# Altium PCB sna_pcb.PcbDoc (continued)
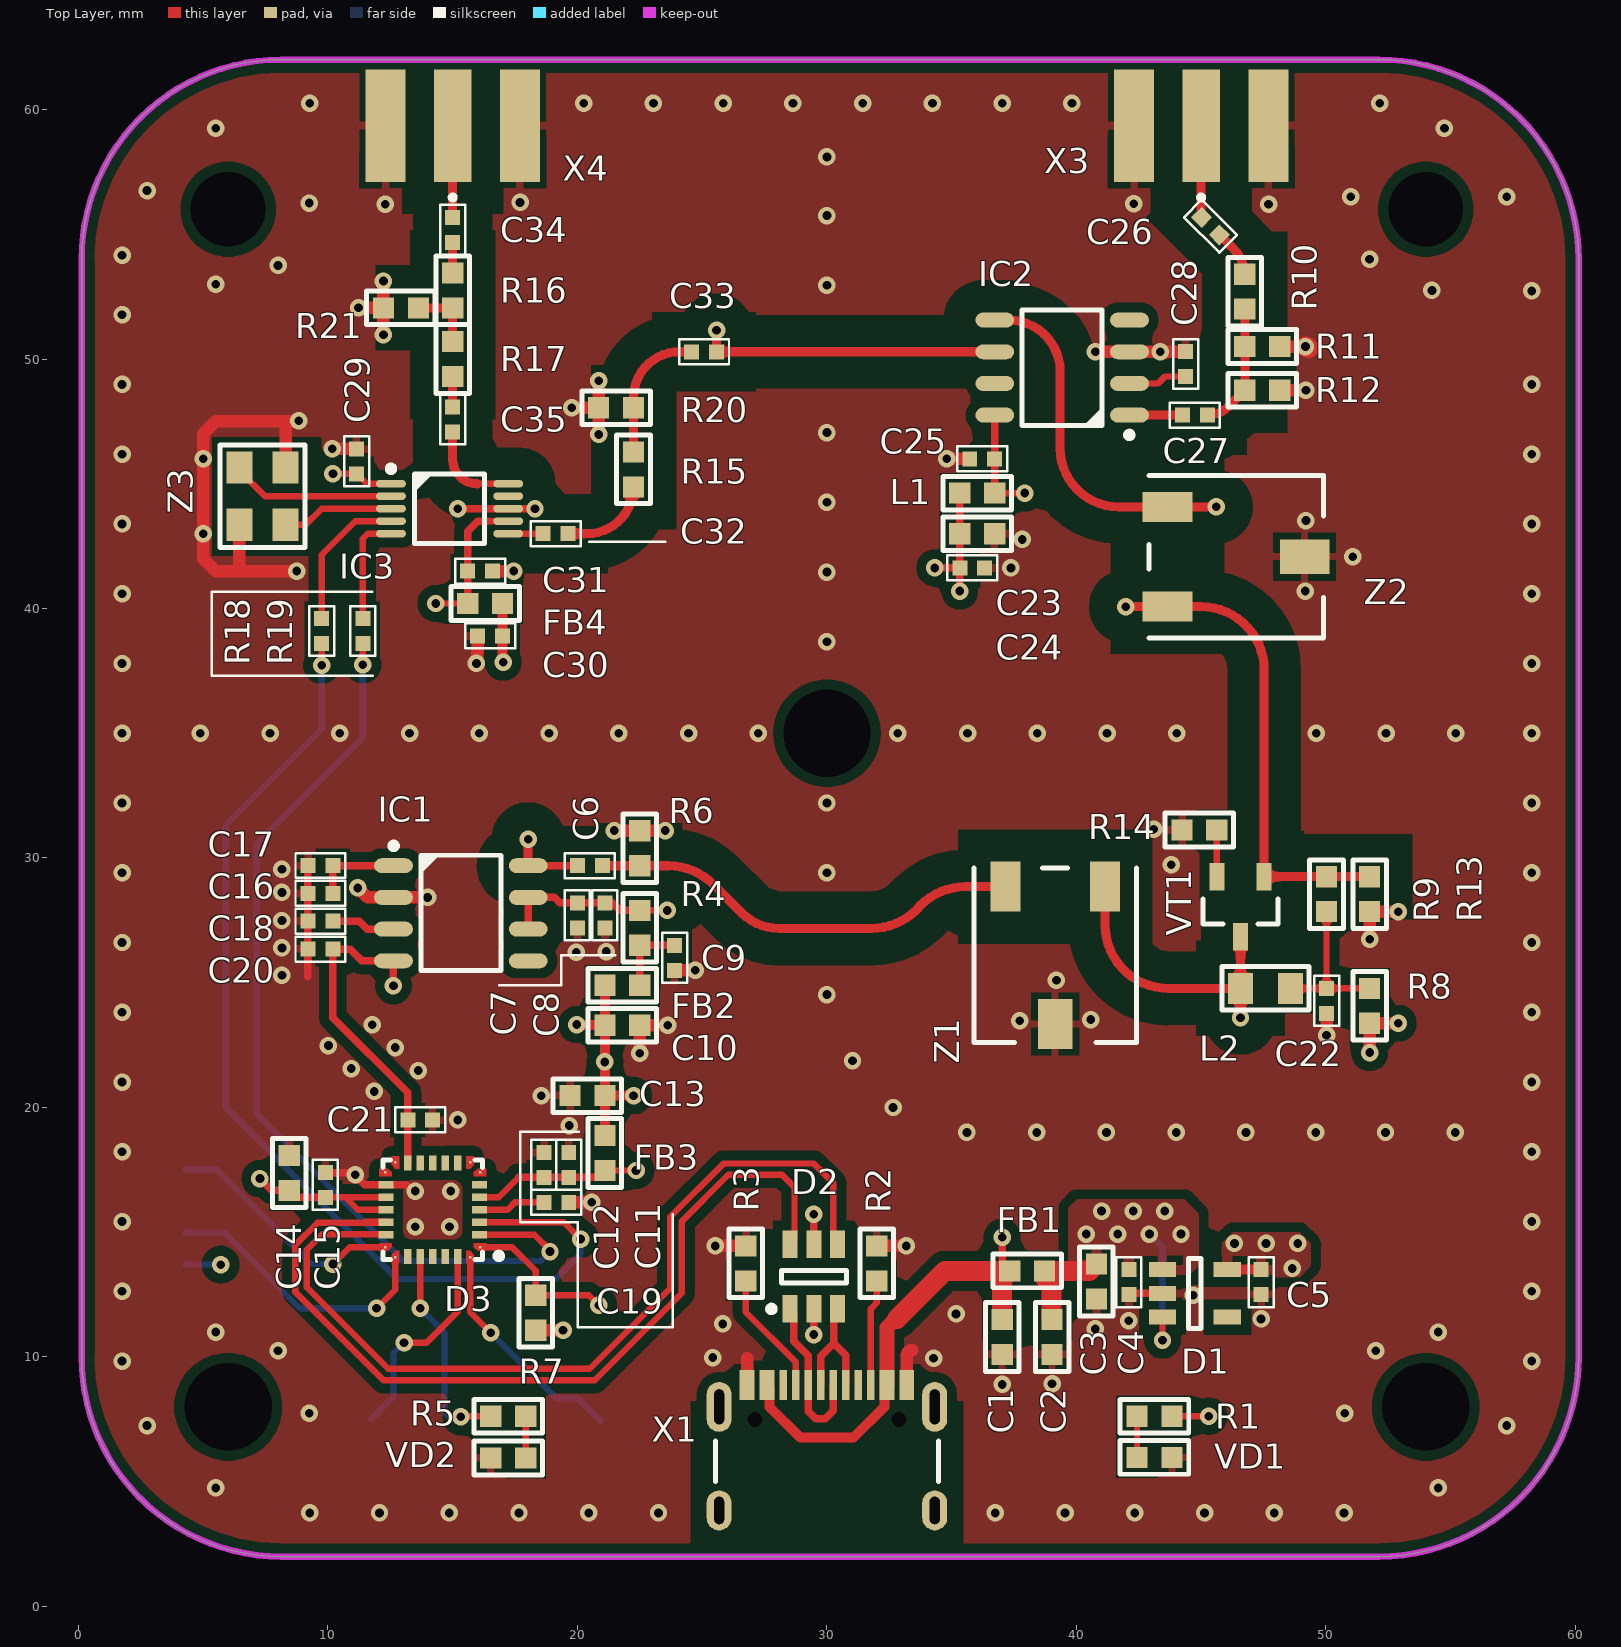
[diagram p0: Top Layer view]
## Components (designator, comment, footprint, x,y, rotation, side; value= is the part's Value field where it differs from the comment)
C1 "Ceramic capacitor, 10uF, X5R, ±10%, 10V, 0603, -55...+125°C" "CAP: 0603" 37.025,10.8 r270 top value=10uF
C2 "Ceramic capacitor, 10uF, X5R, ±10%, 10V, 0603, -55...+125°C" "CAP: 0603" 39.025,10.8 r270 top value=10uF
C3 "Ceramic capacitor, 10uF, X5R, ±10%, 10V, 0603, -55...+125°C" "CAP: 0603" 40.8,13.025 r270 top value=10uF
C4 "Ceramic capacitor, 0.1uF, X7R, ±10%, 16V, 0402, -55...+125°C" "CAP: 0402" 42.1,13 r270 top value=0.1uF
C5 "Ceramic capacitor, 1uF, X5R, ±10%, 25V, 0402, -55...+125°C" "CAP: 0402" 47.4,13 r270 top value=1uF
C6 "Ceramic capacitor, 0.1uF, X7R, ±10%, 16V, 0402, -55...+125°C" "CAP: 0402" 20.5,29.69 r180 top value=0.1uF
C7 "Ceramic capacitor, 10nF, X7R, ±10%, 50V, 0402, -55...+125°C" "CAP: 0402" 20,27.7 r270 top value=10nF
C8 "Ceramic capacitor, 1uF, X5R, ±10%, 25V, 0402, -55...+125°C" "CAP: 0402" 21.1,27.7 r270 top value=1uF
C9 "Ceramic capacitor, 0.1uF, X7R, ±10%, 16V, 0402, -55...+125°C" "CAP: 0402" 23.9,26 r270 top value=0.1uF
C10 "Ceramic capacitor, 10uF, X5R, ±10%, 10V, 0603, -55...+125°C" "CAP: 0603" 21.8,23.3 r0 top value=10uF
C11 "Ceramic capacitor, 1uF, X5R, ±10%, 25V, 0402, -55...+125°C" "CAP: 0402" 19.652,17.7 r90 top value=1uF
C12 "Ceramic capacitor, 10nF, X7R, ±10%, 50V, 0402, -55...+125°C" "CAP: 0402" 18.652,17.7 r90 top value=10nF
C13 "Ceramic capacitor, 10uF, X5R, ±10%, 10V, 0603, -55...+125°C" "CAP: 0603" 20.4,20.475 r180 top value=10uF
C14 "Ceramic capacitor, 10uF, X5R, ±10%, 10V, 0603, -55...+125°C" "CAP: 0603" 8.45,17.375 r90 top value=10uF
C15 "Ceramic capacitor, 0.1uF, X7R, ±10%, 16V, 0402, -55...+125°C" "CAP: 0402" 9.9,16.9 r90 top value=0.1uF
C16 "Ceramic capacitor, 1uF, X5R, ±10%, 25V, 0402, -55...+125°C" "CAP: 0402" 9.7,28.583 r180 top value=1uF
C17 "Ceramic capacitor, 0.1uF, X7R, ±10%, 16V, 0402, -55...+125°C" "CAP: 0402" 9.7,29.7 r180 top value=0.1uF
C18 "Ceramic capacitor, NC, X7R, ±10%, 16V, 0603, -55...+125°C" "CAP: 0402" 9.7,27.467 r180 top value=NC
C19 "Ceramic capacitor, 0.1uF, X7R, ±10%, 16V, 0402, -55...+125°C" "CAP: 0402" 19.152,16.2 r0 top value=0.1uF
C20 "Ceramic capacitor, 1uF, X5R, ±10%, 25V, 0402, -55...+125°C" "CAP: 0402" 9.7,26.35 r180 top value=1uF
C21 "Ceramic capacitor, 0.1uF, X7R, ±10%, 16V, 0402, -55...+125°C" "CAP: 0402" 13.7,19.5 r0 top value=0.1uF
C22 "Ceramic capacitor, 0.1uF, X7R, ±10%, 16V, 0402, -55...+125°C" "CAP: 0402" 50.025,24.275 r270 top value=0.1uF
C23 "Ceramic capacitor, 10uF, X5R, ±10%, 10V, 0603, -55...+125°C" "CAP: 0603" 36.025,43 r0 top value=10uF
C24 "Ceramic capacitor, 0.1uF, X7R, ±10%, 16V, 0402, -55...+125°C" "CAP: 0402" 35.825,41.625 r0 top value=0.1uF
C25 "Ceramic capacitor, 10nF, X7R, ±10%, 50V, 0402, -55...+125°C" "CAP: 0402" 36.225,46 r180 top value=10nF
C26 "Ceramic capacitor, 0.1uF, X7R, ±10%, 16V, 0402, -55...+125°C" "CAP: 0402" 45.375,55.325 r315 top value=0.1uF
C27 "Ceramic capacitor, 0.1uF, X7R, ±10%, 16V, 0402, -55...+125°C" "CAP: 0402" 44.75,47.75 r180 top value=0.1uF
C28 "Ceramic capacitor, 0.1uF, X7R, ±10%, 16V, 0402, -55...+125°C" "CAP: 0402" 44.375,49.8 r270 top value=0.1uF
C29 "Ceramic capacitor, 0.1uF, X7R, ±10%, 16V, 0402, -55...+125°C" "CAP: 0402" 11.15,45.9 r90 top value=0.1uF
C30 "Ceramic capacitor, 0.1uF, X7R, ±10%, 16V, 0402, -55...+125°C" "CAP: 0402" 16.5,38.9 r180 top value=0.1uF
C31 "Ceramic capacitor, 10nF, X7R, ±10%, 50V, 0402, -55...+125°C" "CAP: 0402" 16.1,41.5 r0 top value=10nF
C32 "Ceramic capacitor, 0.1uF, X7R, ±10%, 16V, 0402, -55...+125°C" "CAP: 0402" 19.127,43 r180 top value=0.1uF
C33 "Ceramic capacitor, 0.1uF, X7R, ±10%, 16V, 0402, -55...+125°C" "CAP: 0402" 25.075,50.29 r180 top value=0.1uF
C34 "Ceramic capacitor, 0.1uF, X7R, ±10%, 16V, 0402, -55...+125°C" "CAP: 0402" 15,55.175 r90 top value=0.1uF
C35 "Ceramic capacitor, 0.1uF, X7R, ±10%, 16V, 0402, -55...+125°C" "CAP: 0402" 15,47.575 r90 top value=0.1uF
D1 "LP5907QMFX-3.3Q1" SOT23-5 44.75,12.55 r0 top
D2 "USB protection, , 5A peak, 17V, Power line, SOT-23-6, -40...+125°C" SOT23-6 29.475,13.225 r90 top
D3 "STM32F042K6U6" "28-QFN (4x4)" 14.2,15.9 r180 top
FB1 "Ferrite Bead, =Value, , 0603, 200mA, -55...+125°C" "IND: 0603" 38.025,13.45 r180 top
FB2 "Ferrite Bead, =Value, , 0603, 200mA, -55...+125°C" "IND: 0603" 21.8,24.9 r0 top
FB3 "Ferrite Bead, =Value, , 0603, 200mA, -55...+125°C" "IND: 0603" 21.1,18.175 r270 top
FB4 "Ferrite Bead, =Value, , 0603, 200mA, -55...+125°C" "IND: 0603" 16.3,40.2 r0 top
IC1 "AD8307" 8-SOIC 15.327,27.785 r0 top
IC2 "SA602A" 8-SOIC 39.427,49.655 r180 top
IC3 "SI5351" 10-MSOP 14.877,44 r0 top
L1 "Fixed inductor, 4.7uH, ±5%, 0201, 80mA, -55...+125°C" "IND: 0603" 36.025,44.625 r180 top value=4.7uH
L2 "Fixed inductor, 100uH, ±5%, 0201, 80mA, -55...+125°C" "IND: 0805" 47.577,24.775 r180 top value=100uH
R1 "Resistor film, 300R, ±5%, 0603, 0.05W, -55...+125°C" "RES: 0603" 43.127,7.625 r0 top value=300R
R2 "Resistor film, 5k1, ±5%, 0603, 0.05W, -55...+125°C" "RES: 0603" 32,13.75 r270 top value=5k1
R3 "Resistor film, 5k1, ±5%, 0603, 0.05W, -55...+125°C" "RES: 0603" 26.75,13.75 r270 top value=5k1
R4 "Resistor film, 4R7, ±5%, 0603, 0.05W, -55...+125°C" "RES: 0603" 22.5,27.2 r270 top value=4R7
R5 "Resistor film, 300R, ±5%, 0603, 0.05W, -55...+125°C" "RES: 0603" 17.225,7.625 r180 top value=300R
R6 "Resistor film, 51R, ±5%, 0603, 0.05W, -55...+125°C" "RES: 0603" 22.5,30.39 r270 top value=51R
R7 "Resistor film, 5k1, ±5%, 0603, 0.05W, -55...+125°C" "RES: 0603" 18.327,11.775 r90 top value=5k1
R8 "Resistor film, 10R, ±5%, 0603, 0.05W, -55...+125°C" "RES: 0603" 51.752,24.075 r270 top value=10R
R9 "Resistor film, 5k1, ±5%, 0603, 0.05W, -55...+125°C" "RES: 0603" 50.025,28.55 r270 top value=5k1
R10 "Resistor film, 33R, ±5%, 0603, 0.05W, -55...+125°C" "RES: 0603" 46.75,52.7 r270 top value=33R
R11 "Resistor film, 33R, ±5%, 0603, 0.05W, -55...+125°C" "RES: 0603" 47.45,50.5 r180 top value=33R
R12 "Resistor film, 33R, ±5%, 0603, 0.05W, -55...+125°C" "RES: 0603" 47.45,48.75 r180 top value=33R
R13 "Resistor film, 2k, ±5%, 0603, 0.05W, -55...+125°C" "RES: 0603" 51.752,28.55 r90 top value=2k
R14 "Resistor film, 27R, ±5%, 0603, 0.05W, -55...+125°C" "RES: 0603" 44.927,31.125 r0 top value=27R
R15 "Resistor film, 300R, ±5%, 0603, 0.05W, -55...+125°C" "RES: 0603" 22.25,45.575 r90 top value=300R
R16 "Resistor film, 5.1R, ±5%, 0603, 0.05W, -55...+125°C" "RES: 0603" 15,52.75 r90 top value=5.1R
R17 "Resistor film, 47R, ±5%, 0603, 0.05W, -55...+125°C" "RES: 0603" 15,50 r90 top value=47R
R18 "Resistor film, 0R, ±5%, 0603, 0.05W, -55...+125°C" "RES: 0402" 9.75,39.1 r90 top value=0R
R19 "Resistor film, 0R, ±5%, 0603, 0.05W, -55...+125°C" "RES: 0402" 11.4,39.1 r90 top value=0R
R20 "Resistor film, 100R, ±5%, 0603, 0.05W, -55...+125°C" "RES: 0603" 21.55,48.05 r0 top value=100R
R21 "Resistor film, 51R, ±5%, 0603, 0.05W, -55...+125°C" "RES: 0603" 12.925,52.05 r0 top value=51R
TP1 "5V" "CON: test_point" 52.9,23.375 r180 bottom
TP2 "Z1_OUT" "CON: test_point" 18.027,30.75 r180 bottom
TP3 "AMP_PWR" "CON: test_point" 23.6,27.9 r180 bottom
TP4 "TX" "CON: test_point" 11.725,7.5 r180 bottom
TP5 "RX" "CON: test_point" 20.925,7.45 r180 bottom
TP6 "BOOT0" "CON: test_point" 20.85,12.075 r180 bottom
TP7 "3.3VA" "CON: test_point" 22.35,17.475 r180 bottom
TP8 "3.3V" "CON: test_point" 45.3,7.625 r180 bottom
TP9 "ADC" "CON: test_point" 12.627,24.875 r180 bottom
TP10 "SA602_5V" "CON: test_point" 37.925,44.625 r180 bottom
TP11 "AMP_OUT" "CON: test_point" 46.577,23.602 r90 bottom
TP12 "OUT_IF" "CON: test_point" 45.6,44.075 r180 bottom
TP13 "Z2_OUT" "CON: test_point" 41.975,40.075 r90 bottom
TP14 "SI_PWR" "CON: test_point" 14.325,40.2 r90 bottom
TP15 "LO_OSC" "CON: test_point" 25.575,51.225 r90 bottom
VD1 "LED, Green, *, *, *, -55...+150°C" "LED: 0603B" 43.127,5.975 r0 top
VD2 "LED, Green, *, *, *, -55...+150°C" "LED: 0603B" 17.225,5.95 r180 top
VT1 "NPN transistor, 45V, 100mA, 100MHz, 300mW, 0.6V, 420, SOT-23, -55...+125°C" SOT23 46.577,28.05 r270 top
X1 "USB Type C, 3A" "CON: TYPE-C-31-M-12" 30,7.5 r180 top locked
X2 "" "CON: 1.27 Pogo Pin contact" 4.3,16.25 r90 bottom
X3 "Connector SMA, 50 Ohm, 3GHz" "CON: SMA EDGE MOUNT" 45,61.8 r180 top locked
X4 "Connector SMA, 50 Ohm, 3GHz" "CON: SMA EDGE MOUNT" 15,61.8 r180 top locked
Z1 "" CFUKG455 39.15,23.35 r0 top
Z2 "" CFUKG455 49.15,42.075 r90 top
Z3 "Oscilator, 25MHz, HCMOS, ±50ppm, case 3225, -20...+70°C" "OSC: 3225" 7.377,44.5 r270 top

## Footprints (in the part's own frame and the unit in brackets; to place one, negate y for a bottom-side part, rotate by r counter-clockwise, add the part's x,y. Pads: shape width x height; smd on the part's side, far side on the other; paste and mask are expansions set on the pad)
8-SOIC [mm] "pitch 1.27 mm"
  rrect100% 1.55x0.6 smd: 1(-2.7,1.905) 2(-2.7,0.635) 3(-2.7,-0.635) 4(-2.7,-1.905) 5(2.7,-1.905) 6(2.7,-0.635) 7(2.7,0.635) 8(2.7,1.905)
  round 0.7 on Mech1: 28(-2.395,1.8)
  silkscreen extent -2.82,-2.3 1.61,2.82, body extent -3,-2.45 3,2.45, height 1.75
10-MSOP [mm] "3x3 mm, pitch 0.5 mm"
  rrect100% 1.2x0.3 smd: 1(-2.35,1) 2(-2.35,0.5) 3(-2.35,0) 4(-2.35,-0.5) 5(-2.35,-1) 6(2.35,-1) 7(2.35,-0.5) 8(2.35,0) 9(2.35,0.5) 10(2.35,1)
  round 0.5 on Mech1: ""(-2.1,1.1)
  silkscreen extent -2.47,-1.4 1.4,1.72, body extent -2.5,-1.5 2.5,1.5, height 1.1
"28-QFN (4x4)" [mm] "4x4 mm, pitch 0.5 mm, power pad"
  rect 0.1x0.1 smd paste-1 mask+0: 1(-1.9,1.5) 7(-1.9,-1.5) 8(-1.5,-1.9) 14(1.5,-1.9) 15(1.9,-1.5) 21(1.9,1.5) 22(1.5,1.9) 28(-1.5,1.9)
  rect 0.6x0.3 smd: 2(-1.875,1) 3(-1.875,0.5) 4(-1.875,0) 5(-1.875,-0.5) 6(-1.875,-1) 16(1.875,-1) 17(1.875,-0.5) 18(1.875,0) 19(1.875,0.5) 20(1.875,1)
  rect 0.3x0.6 smd: 9(-1,-1.875) 10(-0.5,-1.875) 11(0,-1.875) 12(0.5,-1.875) 13(1,-1.875) 23(1,1.875) 24(0.5,1.875) 25(0,1.875) 26(-0.5,1.875) 27(-1,1.875)
  Top Layer region: -1.65,1.5 -1.65,1.35 -2.15,1.35 -2.15,1.65 -1.8,1.65
  Top Layer region: -1.65,-1.5 -1.8,-1.65 -2.15,-1.65 -2.15,-1.35 -1.65,-1.35
  Top Layer region: -1.35,-2.15 -1.65,-2.15 -1.65,-1.8 -1.5,-1.65 -1.35,-1.65
  Top Layer region: 1.65,-1.8 1.65,-2.15 1.35,-2.15 1.35,-1.65 1.5,-1.65
  Top Layer region: 2.15,-1.65 1.8,-1.65 1.65,-1.5 1.65,-1.35 2.15,-1.35
  Top Layer region: 2.15,1.35 1.65,1.35 1.65,1.5 1.8,1.65 2.15,1.65
  Top Layer region: 1.65,1.8 1.5,1.65 1.35,1.65 1.35,2.15 1.65,2.15
  Top Layer region: -1.35,1.65 -1.5,1.65 -1.65,1.8 -1.65,2.15 -1.35,2.15
  silkscreen extent -2.78,-2 2,2, body extent -2,-2 2,2, height 0.75
"CAP: 0402" [mm]
  rect 0.6x0.6 smd mask+0.05: 1(-0.5,0) 2(0.5,0)
  silkscreen extent -1,-0.5 1,0.5, body extent -0.51,-0.25 0.51,0.25, height 0.51
"CAP: 0603" [mm]
  rect 0.85x0.85 smd: 1(-0.7,0) 2(0.7,0)
  silkscreen extent -1.38,-0.67 1.38,0.67, body extent -0.8,-0.4 0.8,0.4, height 0.3
CFUKG455 [mm]
  rect 1.2x2 smd: 1(2,5.5) 2(-2,5.5)
  rect 1.4x2 smd: 3(0,0)
  silkscreen extent -3.25,-0.75 3.25,6.25, body extent -3.25,-1 3.25,6.5, height 4
"CON: 1.27 Pogo Pin contact" [mm]
  round 0.9 smd: 1(-2.54,0) 2(-1.27,0) 3(0,0) 4(1.27,0) 5(2.54,0)
  silkscreen extent -3.3,-0.76 3.3,0.76
"CON: SMA EDGE MOUNT" [mm]
  rect 1.5x4.5 smd: 1(0,2.45)
  rect 1.6x4.5 smd: 2(-2.7,2.45) 2(2.7,2.45)
  rect 1.6x4.5 smd far side: 2(-2.7,2.45) 2(2.7,2.45)
  silkscreen extent -0.1,5.23 0.1,5.42, body extent -3.25,-9.17 3.1,4.17, height 3.55
"CON: test_point" [mm]
  round 1.8 smd: 1(0,0)
  silkscreen extent -1.3,-1.3 1.3,1.3
"CON: TYPE-C-31-M-12" [mm]
  rect 0.6x1.2 smd mask+0.075: A1(3.2,-1.375) A4(2.4,-1.375) B1(-3.2,-1.375) B4(-2.4,-1.375)
  rect 0.3x1.2 smd mask+0.075: A5(1.25,-1.375) A6(0.25,-1.375) A7(-0.25,-1.375) A8(-1.25,-1.375) B5(-1.75,-1.375) B6(-0.75,-1.375) B7(0.75,-1.375) B8(1.75,-1.375)
  oval 1x1.6 hole 0.4 slot 1.1 at 90 deg mask+0.075: MH(-4.32,3.65) MH(4.32,3.65)
  oval 1x2 hole 0.4 slot 1.4 at 90 deg mask+0.075: MH(-4.32,-0.5) MH(4.32,-0.5)
  round 0 hole 0.6 mask+0.075: MH(-2.89,0) MH(2.89,0)
  silkscreen extent -4.47,0.87 4.47,2.5, body extent -4.48,-1.48 4.48,6.28, height 3.26
"IND: 0603" [mm]
  rect 0.85x0.85 smd: 1(-0.7,0) 2(0.7,0)
  silkscreen extent -1.38,-0.67 1.38,0.67, body extent -0.8,-0.4 0.8,0.4, height 0.8
"IND: 0805" [mm]
  rect 1x1.25 smd: 1(-1,0) 2(1,0)
  silkscreen extent -1.75,-0.87 1.75,0.87, body extent -1,-0.62 1,0.63, height 0.85
"LED: 0603B" [mm]
  rect 0.85x0.85 smd: 1(-0.7,0) 2(0.7,0)
  silkscreen extent -1.38,-0.67 1.38,0.67, body extent -0.8,-0.4 0.8,0.4, height 0.6
"OSC: 3225" [mm]
  rect 1.3x1.05 smd: 1(-1.15,-0.925) 2(1.15,-0.925) 3(1.15,0.925) 4(-1.15,0.925)
  round 0.5 on Top Overlay: ""(-2.5,-1.5)
  silkscreen extent -2.05,-1.7 2.05,1.7, body extent -1.6,-1.25 1.6,1.25, height 0.81
"RES: 0402" [mm]
  rect 0.6x0.6 smd mask+0.05: 1(-0.5,0) 2(0.5,0)
  silkscreen extent -1,-0.5 1,0.5, body extent -0.52,-0.25 0.47,0.25, height 0.34
"RES: 0603" [mm]
  rect 0.85x0.85 smd: 1(-0.7,0) 2(0.7,0)
  silkscreen extent -1.38,-0.67 1.38,0.67, body extent -0.8,-0.4 0.8,0.4, height 0.44
SOT23 [mm]
  rect 1.1x0.6 smd: 1(-1.2,0.95) 2(-1.2,-0.95) 3(1.2,0)
  round 0.5 on Mech1: ""(-0.9,1.1)
  silkscreen extent -0.3,-1.5 0.7,1.5, body extent -1.32,-1.52 1.32,1.52, height 1.12
SOT23-5 [mm] "pitch 0.95 mm"
  rect 1.1x0.6 smd: 1(-1.3,0.95) 2(-1.3,0) 3(-1.3,-0.95) 4(1.3,-0.95) 5(1.3,0.95)
  round 0.5 on Mech1: ""(-1.1,1.1)
  silkscreen extent -0.25,-1.4 0.25,1.4, body extent -1.5,-1.5 1.5,1.5, height 1.3
SOT23-6 [mm] "pitch 0.95 mm"
  rect 1.1x0.6 smd: 1(-1.3,0.95) 2(-1.3,0) 3(-1.3,-0.95) 4(1.3,-0.95) 5(1.3,0) 6(1.3,0.95)
  round 0.5 on Mech1: ""(-1,1.1)
  silkscreen extent -1.42,-1.3 0.25,1.82, body extent -1.4,-1.45 1.4,1.45, height 1.45

## Part data
C1 C2 C3 C10 C13 C14 C23: library part Ceramic, JLCPCB Part #=C19702, Manufacturer="Samsung Electro-Mechanics", Package=0603, PartNumber=CL10A106KP8NNNC, Temperature=-55...+125°C, Tolerance=±10%, TypeCapacitor="Ceramic capacitor", TypeDielectric=X5R, Voltage=10V, HelpURL=https://jlcpcb.com/partdetail/20411-CL10A106KP8NNNC/C19702, ValueManufacturerPartNumber="Ceramic capacitor, 10uF, X5R, ±10%, 10V, 0603, -55...+125°C"
C4 C6 C9 C15 C17 C19 C21 C22 C24 C26 C27 C28 C29 C30 C32 C33 C34 C35: library part Ceramic, JLCPCB Part #=C1525, Manufacturer="Samsung Electro-Mechanics", Package=0402, PartNumber=CL05B104KO5NNNC, Temperature=-55...+125°C, Tolerance=±10%, TypeCapacitor="Ceramic capacitor", TypeDielectric=X7R, Voltage=16V, HelpURL=https://jlcpcb.com/partdetail/1877-CL05B104KO5NNNC/C1525, ValueManufacturerPartNumber="Ceramic capacitor, 0.1uF, X7R, ±10%, 16V, 0402, -55...+125°C"
C5 C8 C11 C16 C20: library part Ceramic, JLCPCB Part #=C52923, Manufacturer="Samsung Electro-Mechanics", Package=0402, PartNumber=CL05A105KA5NQNC, Temperature=-55...+125°C, Tolerance=±10%, TypeCapacitor="Ceramic capacitor", TypeDielectric=X5R, Voltage=25V, HelpURL=https://jlcpcb.com/partdetail/53938-CL05A105KA5NQNC/C52923, ValueManufacturerPartNumber="Ceramic capacitor, 1uF, X5R, ±10%, 25V, 0402, -55...+125°C"
C7 C12 C25 C31: library part Ceramic, JLCPCB Part #=C15195, Manufacturer="Samsung Electro-Mechanics", Package=0402, PartNumber=CL05B103KB5NNNC, Temperature=-55...+125°C, Tolerance=±10%, TypeCapacitor="Ceramic capacitor", TypeDielectric=X7R, Voltage=50V, HelpURL=https://jlcpcb.com/partdetail/15869-CL05B103KB5NNNC/C15195, ValueManufacturerPartNumber="Ceramic capacitor, 10nF, X7R, ±10%, 50V, 0402, -55...+125°C"
C18: library part Ceramic, Manufacturer=Yageo, Package=0603, PartNumber=CC0201KRX7R7BB103, Temperature=-55...+125°C, Tolerance=±10%, TypeCapacitor="Ceramic capacitor", TypeDielectric=X7R, Voltage=16V, HelpURL=https://www.digikey.com/product-detail/en/yageo/CC0201KRX7R7BB103/311-1404-1-ND/2833710, ValueManufacturerPartNumber="Ceramic capacitor, NC, X7R, ±10%, 16V, 0603, -55...+125°C"
D1: library part LDO, PartNumber=LP5907QMFX-3.3Q1, ValueManufacturerPartNumber=LP5907QMFX-3.3Q1
D2: library part USBLC6-2SC6, Current="5A peak", Manufacturer=STMicroelectronics, Package=SOT-23-6, Temperature=-40...+125°C, VoltageDrop=17V, HelpURL=https://www.digikey.com/product-detail/en/stmicroelectronics/USBLC6-2SC6/497-5235-1-ND/1121688, PartNumber=USBLC6-2SC6, RecoveryTime="Power line", TypeDiode="USB protection", ValueManufacturerPartNumber="USB protection, , 5A peak, 17V, Power line, SOT-23-6, -40...+125°C"
D3: library part STM32F042G6U6, "Cortex-M0, 48MHz, 32KB ROM, 6KB RAM, 2.4...3.6V, QFN-28, -40...+85°C", Manufacturer=STMicroelectronics, Package=QFN-28, HelpURL=https://eu.mouser.com/ProductDetail/STMicroelectronics/STM32F042K6U6?qs=4l9S5vBWkUI1HFPPlP09zA%3D%3D, PartNumber=STM32F042G6U6
FB1 FB2 FB3 FB4: library part Ferrite_Bead_SMD, Frequency="100 MHz", JLCPCB Part #=C1002, Manufacturer=Sunlord, MaxCurrent=200mA, Package=0603, PartNumber=LQP03TNR10J02D, Resistance=600R, Temperature=-55...+125°C, TypeInductor="Ferrite Bead", ValueManufacturerPartNumber="Ferrite Bead, =Value, , 0603, 200mA, -55...+125°C", HelpURL=https://www.digikey.com/product-detail/en/murata-electronics-north-america/LQP03TNR10J02D/490-6742-1-ND/3845939
IC1: "Integrated Circuit", Manufacturer_Name="Analog Devices", Arrow Price/Stock=https://www.arrow.com/en/products/ad8310arm/analog-devices, Datasheet Link=https://www.arrow.com/en/products/ad8310arm/analog-devices, Height=1.1mm, Manufacturer_Part_Number=AD8307, Mouser Price/Stock=https://www.mouser.com/Search/Refine.aspx?Keyword=584-AD8310ARM
IC2: "Integrated Circuit", Arrow Part Number=SA602AD/01,118, Manufacturer_Name=NXP, Mouser Part Number=771-SA602AD/01-T, Arrow Price/Stock=https://www.arrow.com/en/products/sa602ad01118/nxp-semiconductors?region=nac, Datasheet Link=http://www.nxp.com/docs/en/data-sheet/SA602A.pdf, Height=1.75mm, Manufacturer_Part_Number=SA602AD/01,118, Mouser Price/Stock=https://www.mouser.co.uk/ProductDetail/NXP-Semiconductors/SA602AD-01118?qs=LOCUfHb8d9uqq1xhBWuUZQ%3D%3D
IC3: library part Si5351A, "Integrated Circuit", Arrow Part Number=SI5351A-B-GT, JLCPCB Part #=C504891, Manufacturer_Name="Silicon Labs", Manufacturer_Part_Number=Si5351A-B-GT, Mouser Part Number=634-SI5351A-B-GT, Arrow Price/Stock=https://www.arrow.com/en/products/si5351a-b-gt/silicon-labs, Datasheet Link=https://componentsearchengine.com/Datasheets/1/Si5351A-B-GT.pdf, Height=1.1mm, Mouser Price/Stock=https://www.mouser.co.uk/ProductDetail/Silicon-Labs/SI5351A-B-GT?qs=p9T7GgSe1IEO%252BMfC%2FKPFfA%3D%3D
L1: library part Inductor_SMD, JLCPCB Part #=C1034, Manufacturer="Murata Electronics", MaxCurrent=80mA, Package=0201, PartNumber=LQP03TNR10J02D, Temperature=-55...+125°C, Tolerance=±5%, TypeInductor="Fixed inductor", HelpURL=https://www.digikey.com/product-detail/en/murata-electronics-north-america/LQP03TNR10J02D/490-6742-1-ND/3845939, ValueManufacturerPartNumber="Fixed inductor, 4.7uH, ±5%, 0201, 80mA, -55...+125°C"
L2: library part Inductor_SMD, Manufacturer="Murata Electronics", MaxCurrent=80mA, Package=0201, PartNumber=LQP03TNR10J02D, Temperature=-55...+125°C, Tolerance=±5%, TypeInductor="Fixed inductor", HelpURL=https://www.digikey.com/product-detail/en/murata-electronics-north-america/LQP03TNR10J02D/490-6742-1-ND/3845939, ValueManufacturerPartNumber="Fixed inductor, 100uH, ±5%, 0201, 80mA, -55...+125°C"
R1 R5 R15: library part Resistor, JLCPCB Part #=C23025, Manufacturer=Yageo, Package=0603, PartNumber=RC0201JR-07100RL, Power=0.05W, Temperature=-55...+125°C, Tolerance=±5%, TypeResistor="Resistor film", HelpURL=https://www.digikey.com/product-detail/en/yageo/RC0201JR-07100RL/311-100NCT-ND/1949006, ValueManufacturerPartNumber="Resistor film, 300R, ±5%, 0603, 0.05W, -55...+125°C"
R2 R3: library part Resistor, JLCPCB Part #=C23186, Manufacturer=Yageo, Package=0603, PartNumber=0603WAF5101T5E, Power=0.05W, Temperature=-55...+125°C, Tolerance=±5%, TypeResistor="Resistor film", HelpURL=https://lcsc.com/product-detail/Chip-Resistor-Surface-Mount_UNI-ROYAL-Uniroyal-Elec-0603WAF5101T5E_C23186.html, ValueManufacturerPartNumber="Resistor film, 5k1, ±5%, 0603, 0.05W, -55...+125°C"
R4: library part Resistor, JLCPCB Part #=C23164, Manufacturer=Yageo, Package=0603, PartNumber=RC0201JR-07100RL, Power=0.05W, Temperature=-55...+125°C, Tolerance=±5%, TypeResistor="Resistor film", HelpURL=https://www.digikey.com/product-detail/en/yageo/RC0201JR-07100RL/311-100NCT-ND/1949006, ValueManufacturerPartNumber="Resistor film, 4R7, ±5%, 0603, 0.05W, -55...+125°C"
R6: library part Resistor, JLCPCB Part #=C23197, Manufacturer=Yageo, Package=0603, PartNumber=0603WAF5101T5E, Power=0.05W, Temperature=-55...+125°C, Tolerance=±5%, TypeResistor="Resistor film", HelpURL=https://lcsc.com/product-detail/Chip-Resistor-Surface-Mount_UNI-ROYAL-Uniroyal-Elec-0603WAF5101T5E_C23186.html, ValueManufacturerPartNumber="Resistor film, 51R, ±5%, 0603, 0.05W, -55...+125°C"
R7 R9: library part Resistor, JLCPCB Part #=C23186, Manufacturer=Yageo, Package=0603, PartNumber=RC0201JR-07100RL, Power=0.05W, Temperature=-55...+125°C, Tolerance=±5%, TypeResistor="Resistor film", HelpURL=https://www.digikey.com/product-detail/en/yageo/RC0201JR-07100RL/311-100NCT-ND/1949006, ValueManufacturerPartNumber="Resistor film, 5k1, ±5%, 0603, 0.05W, -55...+125°C"
R8 R18 R19: library part Resistor, Manufacturer=Yageo, Package=0603, PartNumber=RC0201JR-07100RL, Power=0.05W, Temperature=-55...+125°C, Tolerance=±5%, TypeResistor="Resistor film", HelpURL=https://www.digikey.com/product-detail/en/yageo/RC0201JR-07100RL/311-100NCT-ND/1949006
  R8: ValueManufacturerPartNumber="Resistor film, 10R, ±5%, 0603, 0.05W, -55...+125°C"
  R18 R19: ValueManufacturerPartNumber="Resistor film, 0R, ±5%, 0603, 0.05W, -55...+125°C"
R10 R11 R12: library part Resistor, JLCPCB Part #=C23140, Manufacturer=Yageo, Package=0603, PartNumber=RC0201JR-07100RL, Power=0.05W, Temperature=-55...+125°C, Tolerance=±5%, TypeResistor="Resistor film", HelpURL=https://www.digikey.com/product-detail/en/yageo/RC0201JR-07100RL/311-100NCT-ND/1949006, ValueManufacturerPartNumber="Resistor film, 33R, ±5%, 0603, 0.05W, -55...+125°C"
R13: library part Resistor, JLCPCB Part #=C22975, Manufacturer=Yageo, Package=0603, PartNumber=RC0201JR-07100RL, Power=0.05W, Temperature=-55...+125°C, Tolerance=±5%, TypeResistor="Resistor film", HelpURL=https://www.digikey.com/product-detail/en/yageo/RC0201JR-07100RL/311-100NCT-ND/1949006, ValueManufacturerPartNumber="Resistor film, 2k, ±5%, 0603, 0.05W, -55...+125°C"
R14: library part Resistor, JLCPCB Part #=C25190, Manufacturer=Yageo, Package=0603, PartNumber=RC0201JR-07100RL, Power=0.05W, Temperature=-55...+125°C, Tolerance=±5%, TypeResistor="Resistor film", HelpURL=https://www.digikey.com/product-detail/en/yageo/RC0201JR-07100RL/311-100NCT-ND/1949006, ValueManufacturerPartNumber="Resistor film, 27R, ±5%, 0603, 0.05W, -55...+125°C"
R16: library part Resistor, JLCPCB Part #=C25197, Manufacturer=Yageo, Package=0603, PartNumber=RC0201JR-07100RL, Power=0.05W, Temperature=-55...+125°C, Tolerance=±5%, TypeResistor="Resistor film", HelpURL=https://www.digikey.com/product-detail/en/yageo/RC0201JR-07100RL/311-100NCT-ND/1949006, ValueManufacturerPartNumber="Resistor film, 5.1R, ±5%, 0603, 0.05W, -55...+125°C"
R17: library part Resistor, JLCPCB Part #=C23182, Manufacturer=Yageo, Package=0603, PartNumber=RC0201JR-07100RL, Power=0.05W, Temperature=-55...+125°C, Tolerance=±5%, TypeResistor="Resistor film", HelpURL=https://www.digikey.com/product-detail/en/yageo/RC0201JR-07100RL/311-100NCT-ND/1949006, ValueManufacturerPartNumber="Resistor film, 47R, ±5%, 0603, 0.05W, -55...+125°C"
R20: library part Resistor, JLCPCB Part #=C22775, Manufacturer=Yageo, Package=0603, PartNumber=RC0201JR-07100RL, Power=0.05W, Temperature=-55...+125°C, Tolerance=±5%, TypeResistor="Resistor film", HelpURL=https://www.digikey.com/product-detail/en/yageo/RC0201JR-07100RL/311-100NCT-ND/1949006, ValueManufacturerPartNumber="Resistor film, 100R, ±5%, 0603, 0.05W, -55...+125°C"
R21: library part Resistor, JLCPCB Part #=C23197, Manufacturer=Yageo, Package=0603, PartNumber=RC0201JR-07100RL, Power=0.05W, Temperature=-55...+125°C, Tolerance=±5%, TypeResistor="Resistor film", HelpURL=https://www.digikey.com/product-detail/en/yageo/RC0201JR-07100RL/311-100NCT-ND/1949006, ValueManufacturerPartNumber="Resistor film, 51R, ±5%, 0603, 0.05W, -55...+125°C"
TP1 TP2 TP3 TP4 TP5 TP6 TP7 TP8 TP9 TP10 TP11 TP12 TP13 TP14 TP15: library part Connector_Test_Point, Manufacturer=Keystone, PartNumber=5001, ValueManufacturerPartNumber="Test point, Keystone, 5001", HelpURL=https://www.digikey.com/product-detail/en/keystone-electronics/5001/36-5001-ND/255327, TypeConnector="Test point"
VD1 VD2: library part LED_single, Color=GREEN, ColorParameter=Green, JLCPCB Part #=C72041, Temperature=-55...+150°C, TypeDiode=LED, ValueManufacturerPartNumber="LED, Green, *, *, *, -55...+150°C"
VT1: library part BJT_NPN_132, CurrentCE=100mA, CurrentGain=420, Frequency=100MHz, Manufacturer="ON Semiconductor", MaxPower=300mW, Package=SOT-23, PartNumber=BFR93A, Temperature=-55...+125°C, VoltageCE=45V, VoltageSaturation=0.6V, HelpURL=https://www.digikey.com/product-detail/en/on-semiconductor/BC847CLT1G/BC847CLT1GOSCT-ND/917836, TypeTransistor="NPN transistor", ValueManufacturerPartNumber="NPN transistor, 45V, 100mA, 100MHz, 300mW, 0.6V, 420, SOT-23, -55...+125°C"
X1: library part Connector_USB_Type_C, CurrentMax=3A, Manufacturer="Korean Hroparts", PartNumber=TYPE-C-31-M-12, CommentText="USB type C", HelpURL=https://lcsc.com/product-detail/USB-Type-C_Korean-Hroparts-Elec-TYPE-C-31-M-12_C165948.html, TypeConnector="USB Type C", ValueManufacturerPartNumber="USB Type C, 3A"
X2: library part "Connector SWD", "SWD Interface"
X3 X4: library part Connector_SMA, Frequency=3GHz, Manufacturer="TE Connectivity", PartNumber=5-1814832-1, CommentText=SMA, HelpURL=https://www.digikey.com/product-detail/en/te-connectivity-amp-connectors/5-1814832-1/A97594-ND/1755982, Impedance="50 Ohm", TypeConnector="Connector SMA", ValueManufacturerPartNumber="Connector SMA, 50 Ohm, 3GHz"
Z1 Z2: library part LT455, PartNumber=LT455
Z3: library part Oscilator, Frequency=25MHz, JLCPCB Part #=C9006, LoadCapacitance=HCMOS, Manufacturer="Yangxing Tech", Package="case 3225", PartNumber=X322525MOB4SI, Temperature=-20...+70°C, Tolerance=±50ppm, HelpURL=https://jlcpcb.com/partdetail/YangxingTech-X322525MOB4SI/C9006, TypeOscilator=Oscilator, ValueManufacturerPartNumber="Oscilator, 25MHz, HCMOS, ±50ppm, case 3225, -20...+70°C"